# KiCad board Joystick_breakout.kicad_pcb (continued)
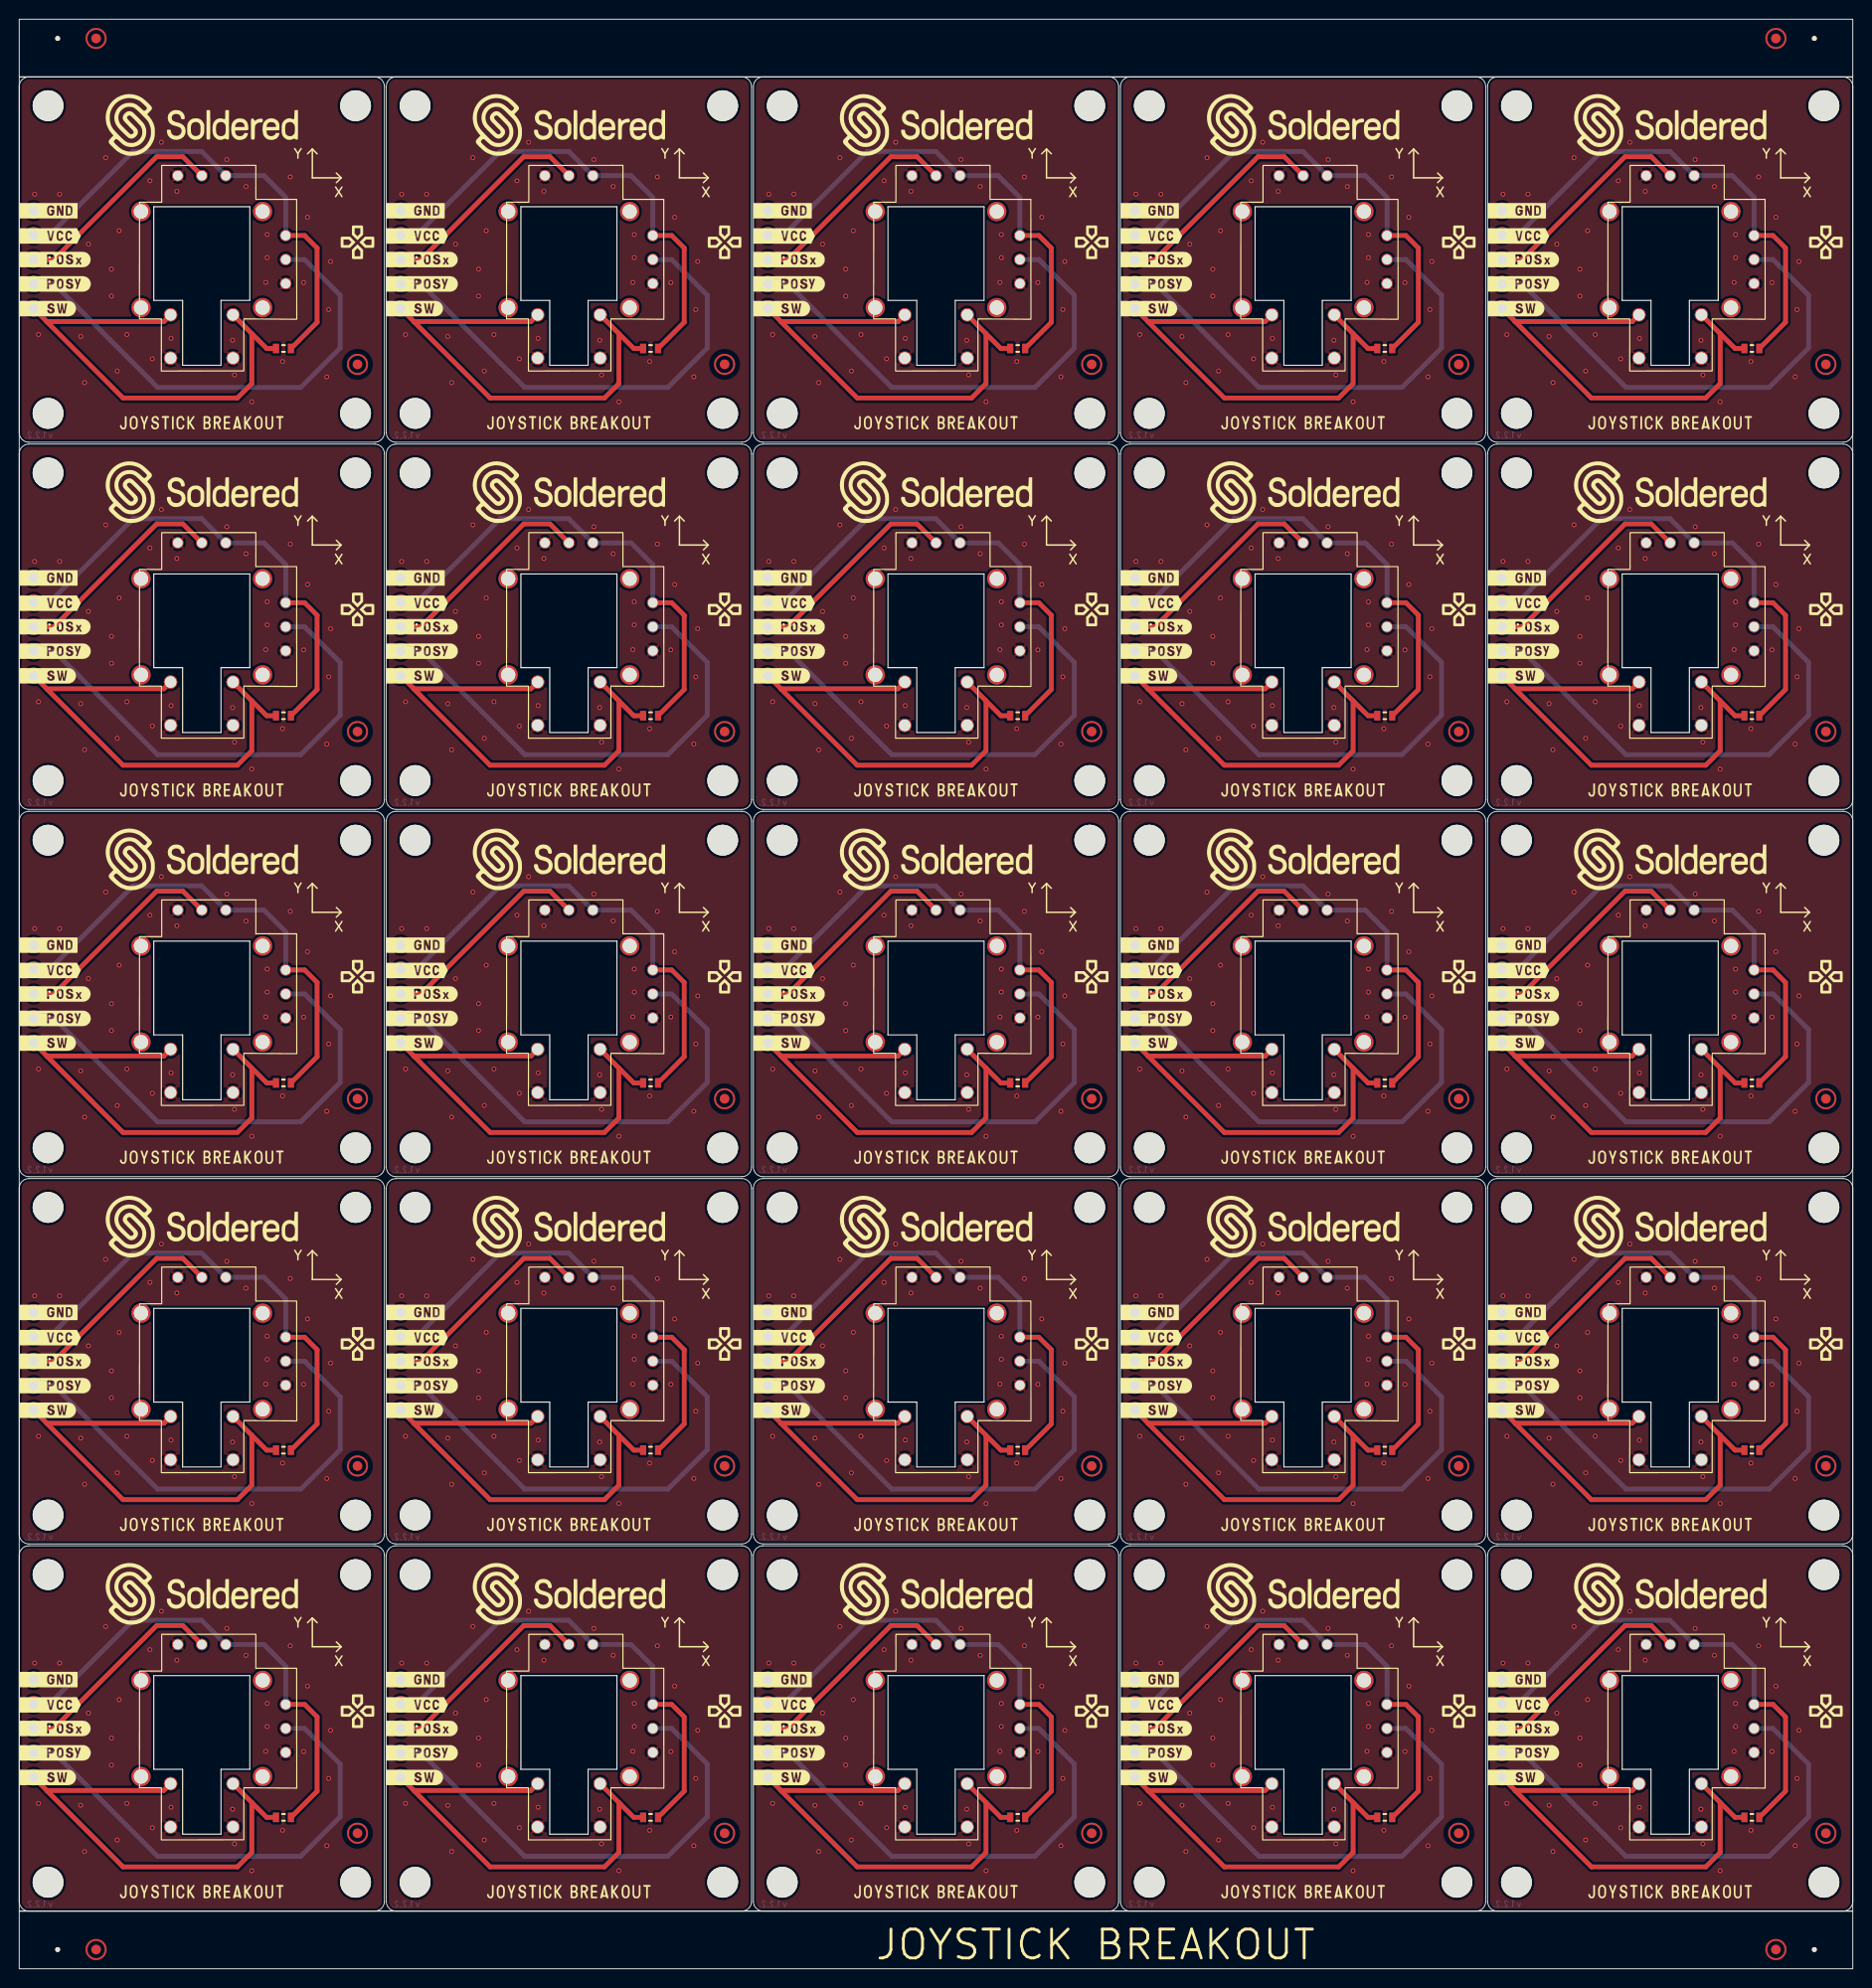
[diagram p0: board, top side]
## Routing (per net, layer and track width the routed paths; a pad name or vN(x,y) marks a point on that pad's centre or on a via; arc(x,y) is an arc through that point) (continued)

## Copper pours and planes (outline as drawn; the poured copper is in the pictures)
GND on Top, Bottom: 152.6,158.8 114.6,158.8 114.6,196.8 152.6,196.8
GND on Top, Bottom: 152.6,120.6 114.6,120.6 114.6,158.6 152.6,158.6
GND on Top, Bottom: 38,82.4 0,82.4 0,120.4 38,120.4
GND on Top, Bottom: 76.2,6 38.2,6 38.2,44 76.2,44
GND on Top, Bottom: 114.4,120.6 76.4,120.6 76.4,158.6 114.4,158.6
GND on Top, Bottom: 152.6,44.2 114.6,44.2 114.6,82.2 152.6,82.2
GND on Top, Bottom: 114.4,6 76.4,6 76.4,44 114.4,44
GND on Top, Bottom: 190.8,6 152.8,6 152.8,44 190.8,44
GND on Top, Bottom: 76.2,44.2 38.2,44.2 38.2,82.2 76.2,82.2
GND on Top, Bottom: 114.4,158.8 76.4,158.8 76.4,196.8 114.4,196.8
GND on Top, Bottom: 76.2,158.8 38.2,158.8 38.2,196.8 76.2,196.8
GND on Top, Bottom: 38,120.6 0,120.6 0,158.6 38,158.6
GND on Top, Bottom: 190.8,120.6 152.8,120.6 152.8,158.6 190.8,158.6
GND on Top, Bottom: 152.6,6 114.6,6 114.6,44 152.6,44
GND on Top, Bottom: 190.8,82.4 152.8,82.4 152.8,120.4 190.8,120.4
GND on Top, Bottom: 38,44.2 0,44.2 0,82.2 38,82.2
GND on Top, Bottom: 114.4,44.2 76.4,44.2 76.4,82.2 114.4,82.2
GND on Top, Bottom: 190.8,44.2 152.8,44.2 152.8,82.2 190.8,82.2
GND on Top, Bottom: 190.8,158.8 152.8,158.8 152.8,196.8 190.8,196.8
GND on Top, Bottom: 76.2,120.6 38.2,120.6 38.2,158.6 76.2,158.6
GND on Top, Bottom: 152.6,82.4 114.6,82.4 114.6,120.4 152.6,120.4
GND on Top, Bottom: 38,158.8 0,158.8 0,196.8 38,196.8
GND on Top, Bottom: 38,6 0,6 0,44 38,44
GND on Top, Bottom: 76.2,82.4 38.2,82.4 38.2,120.4 76.2,120.4
GND on Top, Bottom: 114.4,82.4 76.4,82.4 76.4,120.4 114.4,120.4

## Text on the board
F.Silkscreen: Y | X | JOYSTICK BREAKOUT
User.8: V-CUT
